# KiCad board RS64c.kicad_pcb (continued)
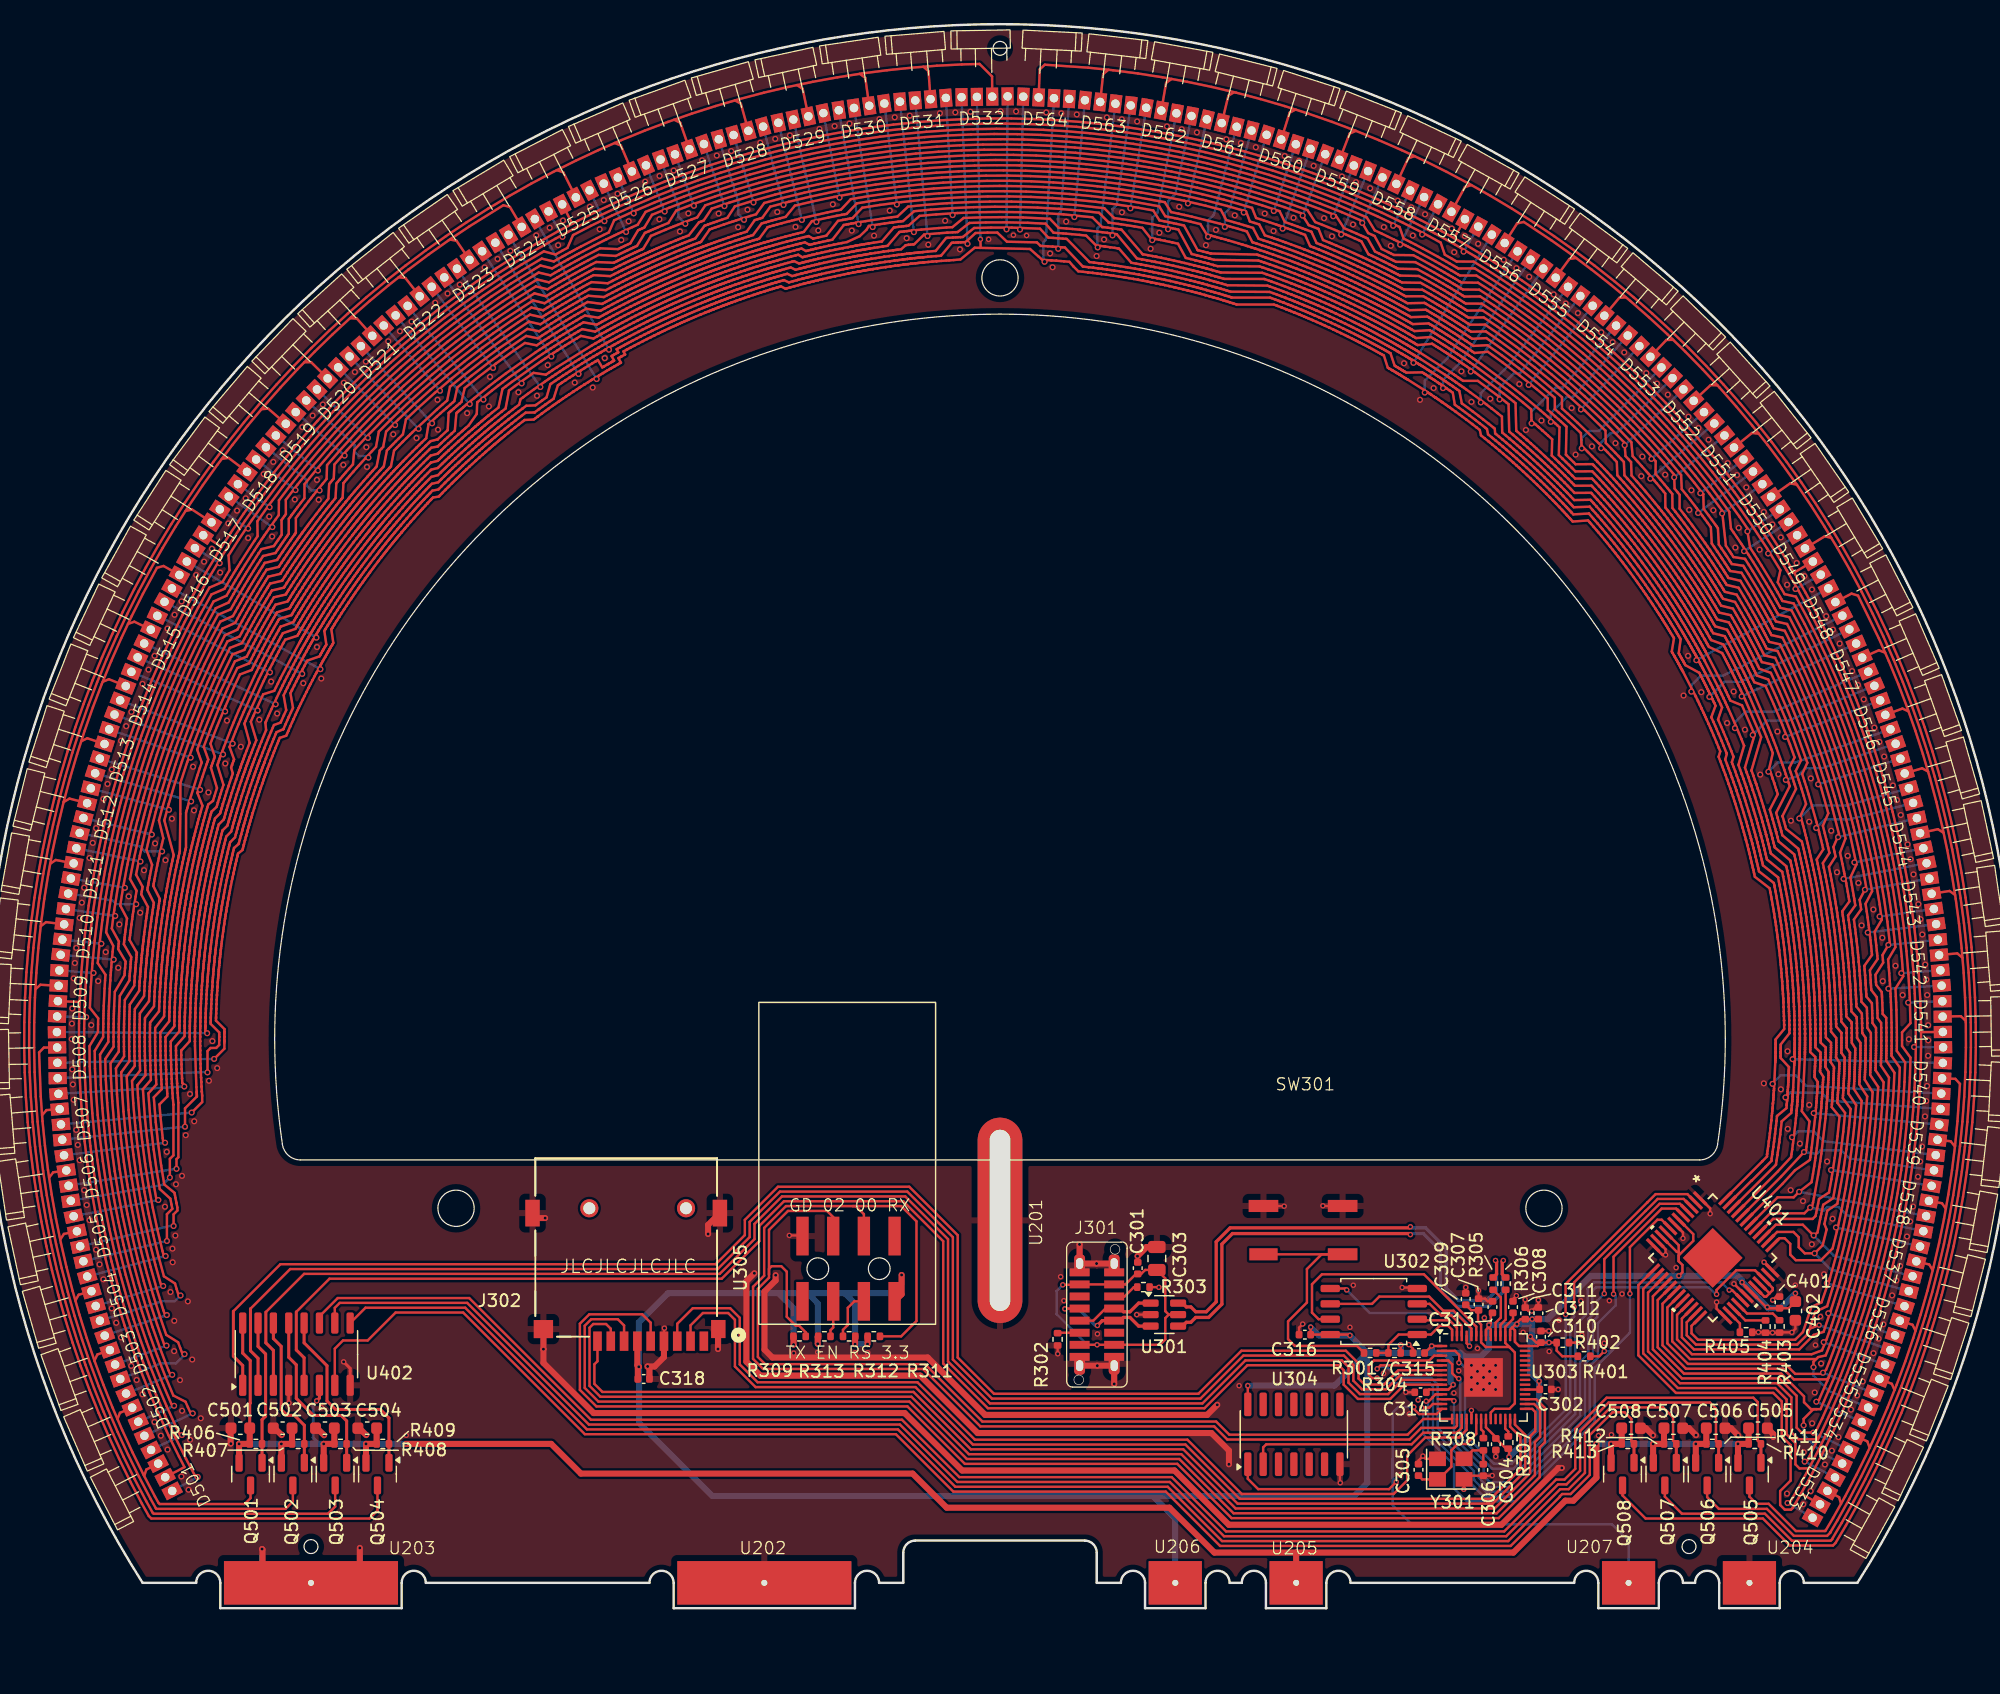
[diagram p0: board, top side]
## Nets (continued)
Net-(D517-A): D517.2 D518.2 D519.2 D520.2 D521.2 D522.2 D523.2 D524.2 Q503.3
Net-(D525-A): D525.2 D526.2 D527.2 D528.2 D529.2 D530.2 D531.2 D532.2 Q504.3
Net-(D533-A): D533.2 D534.2 D535.2 D536.2 D537.2 D538.2 D539.2 D540.2 Q505.3
Net-(D541-A): D541.2 D542.2 D543.2 D544.2 D545.2 D546.2 D547.2 D548.2 Q506.3
Net-(D549-A): D549.2 D550.2 D551.2 D552.2 D553.2 D554.2 D555.2 D556.2 Q507.3
Net-(D557-A): D557.2 D558.2 D559.2 D560.2 D561.2 D562.2 D563.2 D564.2 Q508.3
Net-(J301-CC1): J301.A5 R302.1
Net-(J301-CC2): J301.B5 R303.1
Net-(R301-Pad1): R301.1 SW301.2 SW301.4
Net-(U305-CH_PD): R313.1 U305.6
Net-(U305-RST): R312.1 U305.7

Pads without a net: J301 A8 B8; J302 9; U303 24 25 32 34 35 36 37 38 39 40 41; U304 3 4 5 6 8 9 10 11 12 13; U305 4 5; U401 35 EPAD

## Via types
v1: diameter 0.45, hole 0.25, Top to Bottom, 176 vias
v2: diameter 0.5, hole 0.3, Top to Bottom, 548 vias

## Routing (per net, layer and track width the routed paths; a pad name or vN(x,y) marks a point on that pad's centre or on a via; arc(x,y) is an arc through that point)
+1V1: length 17.4
  Top w0.2: U303.23 124.6,16.2 124.91,16.5 126.14,16.5 126.59,16.95 126.59,21.16 126.13,21.62 ; C308.2 126.44,23.93 125.8,23.29 U303.45 125.8,21.95 126.13,21.62 ; 126.13,21.62 124.19,21.62 123.8,22 U303.50 123.8,23.47 123.54,23.73 123.54,24.62 C307.2 122.98,24.66 C309.2
+3.3V: length 262.9
  Top w0.2: 140.14,28.72 140.14,29.2 141.35,30.4 141.35,30.96 U401.6 ; 140.14,28.72 140.45,28.41 140.45,27.8 v1(140.16,27.51) ; 140.14,28.72 140.14,29.49 ; U303.49 124.2,23.03 124.37,23.2 124.45,23.2 124.6,23.05 U303.48 ; U401.9 140.14,30.04 140.14,29.49 ; 126.37,23.22 126.6,22.99 U303.43 126.6,22.04 126.94,21.7 U303.42 128.47,21.7 C310.2 ; 126.37,23.22 126.2,23.05 U303.44 ; 126.37,23.22 126.67,23.52 ; C310.2 128.37,21.98 v1(127.88,22.48) ; C310.2 129.41,21.98 v1(129.42,21.99) 130.04,21.99 R402.2 130.05,21.32 130.52,20.85 R401.1 ; 140.14,29.49 139.99,29.49 U401.10 ; C314.2 119.5,18.1 U303.10 121.1,18.1 121.49,18.49 v1(121.49,18.5) ; C315.2 v1(119.71,21.7) U303.1 ; C312.2 128.53,23.92 C311.2 127.07,23.92 126.67,23.52 ; v1(126.76,23.51) 126.68,23.51 126.67,23.52 ; v1(126.11,12.51) 126.11,13.14 R307.2 125.87,13.2 C304.1 125.02,14.15 124.2,14.97 U303.22 ; v1(128.6,18.78) 128.6,18.16 C302.2 128.64,18.1 U303.33 ; R304.2 v1(117.15,21.78) ; v1(145.39,26.97) 145.39,26.92 U401.31 147.48,24.83 C401.1 ; C401.1 149.25,24.83 C402.1 v1(149.8,26.06) ; C401.1 147.56,24.83 v1(147.48,24.92) ; v1(104.5,18.42) U304.14 ; v1(109.7,23.26) C316.2 109.71,22.65 U302.8 112.87,22.65 v1(112.95,22.57) ; C313.2 124.6,24.3 124.6,23.59 v1(124.45,23.44)
  Top w0.5: v1(75.86,27.58) 75.86,25.98 U305.8 ; 130.05,21.98 R402.2 ; J302.4 54,20.1 v1(54.12,19.98) 54.04,19.9 C318.2 ; v1(73.04,21.86) 73.04,22.49 R311.2 ; R313.2 68.92,22.46 v1(68.92,21.88) ; v1(72.01,21.85) 72.01,22.48 R312.2 ; v1(66.92,21.82) 66.92,22.49 R309.2
  Bottom w0.5: v1(117.15,21.78) 117.15,21.14 ; 117.15,21.14 114.38,21.14 ; 117.15,21.14 119.37,21.14 ; 67.84,26.07 68.09,26.07 68.93,25.23 68.93,21.89 v1(68.92,21.88) ; 67.84,26.07 65.68,26.07 ; 67.84,26.07 71.15,26.07 ; 114.38,21.14 v1(112.95,22.57) 110.39,22.57 v1(109.7,23.26) ; 114.38,21.14 111.67,18.42 v1(104.5,18.42) ; 114.38,21.14 114.38,10.38 113.29,9.29 96.65,9.29 ; v1(128.03,23.92) 127.62,23.51 v1(126.76,23.51) 126.69,23.44 v1(124.45,23.44) 124.45,21.5 123.78,20.83 122.41,20.83 122.1,21.14 120.75,21.14 ; v1(128.03,23.92) 129.31,23.92 132.9,27.51 v1(140.16,27.51) 144.3,27.51 144.32,27.53 145,27.53 145.39,27.13 v1(145.39,26.97) 145.42,26.97 v1(147.48,24.92) 147.57,24.83 148.56,24.83 v1(149.8,26.06) ; v1(128.03,23.92) 128.03,22.63 v1(127.88,22.48) ; 96.65,9.29 60.2,9.29 54.14,15.35 54.14,19.96 v1(54.12,19.98) 54.12,23.66 56.53,26.07 65.68,26.07 ; 96.65,9.29 98.5,7.44 U206.1 ; 120.75,21.14 121.27,20.61 121.27,18.71 v1(121.49,18.5) ; 120.75,21.14 119.37,21.14 ; v1(73.04,21.86) 73.03,21.85 v1(72.01,21.85) 72.01,25.21 71.15,26.07 ; 65.68,26.07 66.92,24.83 v1(66.92,21.82) ; 119.37,21.14 119.71,21.48 v1(119.71,21.7) ; v1(127.88,22.48) 128.36,21.99 v1(129.42,21.99) ; v1(127.88,22.48) 127.88,19.51 v1(128.6,18.78) 128.6,15 v1(126.11,12.51) ; 71.15,26.07 75.06,26.07 75.87,26.88 75.87,27.57 v1(75.86,27.58)
+5V: length 179.8
  Top w0.25: v1(27.47,17.16) 27.7,17.39 U402.6 ; C501.1 21.93,16.93 21.97,16.98 21.97,20.49 21.35,21.12 U402.16
  Top w0.5: Q503.2 v1(28.05,13.6) R408.1 C503.1 ; C506.1 R411.1 v1(141.56,13.6) 141.56,12.05 Q506.2 ; C507.1 R412.1 v1(138.03,13.6) 138.03,12.06 Q507.2 ; 108.51,4.61 101.73,4.61 98.02,8.32 79.59,8.32 76.77,11.14 49.33,11.14 46.87,13.6 v1(34.86,13.6) ; 108.51,4.61 108.5,4.59 U205.1 ; 108.51,4.61 126.47,4.61 130.77,8.9 131.43,8.9 133.34,10.81 v1(133.34,13.6) ; Q502.2 v1(24.55,13.6) R407.1 C502.1 ; Q504.2 v1(31.55,13.6) R409.1 C504.1 ; C508.1 R413.1 v1(134.55,13.6) Q508.2 ; Q505.2 v1(145.05,13.6) R410.1 C505.1 ; Q501.2 v1(21.05,13.6) R406.1 C501.1
  Bottom w0.25: v1(27.47,17.16) 27.18,16.87 27.18,14.1 27.68,13.6
  Bottom w0.5: v1(133.34,13.6) v1(134.55,13.6) v1(138.03,13.6) v1(141.56,13.6) v1(145.05,13.6) ; v1(21.05,13.6) v1(24.55,13.6) v1(28.05,13.6) v1(31.55,13.6) v1(34.86,13.6)
/RP2040/VBUS4: length 29.7
  Top w0.2: 97.96,24.3 97.67,24.02 97.67,22.25 97.23,21.8 J301.B9 90.58,21.8 ; 97.96,24.3 U301.5 ; 97.96,24.3 97.66,24.6 97.67,24.6 97.67,27.3 C303.1 96,28 95.67,27.67 C301.2 95.24,27.67 94.38,26.8 J301.B4 90.58,26.8 90.55,26.77 v1(89.19,26.77)
  Bottom w0.2: v1(92.03,21.8) 91.22,21.8 88.67,24.35 88.67,26.25 v1(89.19,26.77)
GND: length 308.6
  Top w0.2: 125.06,19.11 125.05,19.1 v1(124,19.1) ; 122.99,20.12 124,19.11 v1(124,19.1) ; v1(144.72,26.85) 145.74,25.83 U401.30 ; SW301.1 107.49,33.29 v1(107.51,33.27) ; Y301.4 119.22,12.36 v1(118.99,12.59) 118.62,12.22 C305.1 ; 124.93,20.1 124,19.17 v1(124,19.1) ; v1(95.37,29.14) 95.39,29.12 95.39,28.62 ; v1(147.92,25.5) 148.21,25.79 C401.2 ; v1(124,19.1) 124.05,19.1 124.47,19.52 ; v1(124,19.1) 124,19.05 123.02,18.07 ; v1(124,19.1) 123.93,19.1 123.5,19.53 ; v1(124,19.1) 124,19.08 125.04,18.04 ; v1(124,19.1) 123.89,19.1 123.53,18.74 ; v1(124,19.1) 124.11,19.1 124.51,18.7 ; v1(124,19.1) 122.92,19.1 122.91,19.11 ; v1(124,19.1) 124.22,19.1 ; v1(124,19.1) 124,20.19 124,20.19 ; v1(124,19.1) 124,18.22 124.02,18.2 ; J302.6 56.2,23.14 v1(56.24,23.18) ; v1(95.31,24.3) U301.2 96.44,24.29 ; U305.1 67.61,30.85 v1(66.57,30.85) 66.61,30.81 ; v1(140.5,30.61) 140.5,31.1 U401.7 ; v1(112.15,10.38) 112.12,10.41 U304.7 ; U401.12 138.03,30.01 138.81,29.23 139.05,29.23 v1(139.06,29.24) 139.06,29.71 U401.11 ; C314.1 v1(117.57,17.87) ; v1(130.18,18.1) 130.17,18.11 C302.1 ; U303.19 v1(123,16.37) ; U401.25 143.28,24.79 v1(143.28,25.33) ; v1(122.37,9.84) 122.39,9.86 Y301.2 122.69,10.96 C306.2 124.7,10.96 v1(124.72,10.98) ; v1(128.54,25.5) C312.1 128.28,24.89 v1(127.98,24.6) 127.74,24.6 C311.1 v1(127.45,25.54) ; U302.4 118.44,26.54 v1(117.27,26.54) ; C402.2 149.8,23.12 v1(149.51,22.83) 148.51,22.83 R403.2 148.48,22.8 v1(147.91,22.8) R404.2 147.29,22.84 v1(146.74,22.84) R405.2 146.23,22.86 ; v1(142.75,32.65) 142.75,33.09 U401.1 ; v1(123.58,26.28) 123.59,26.27 C307.1 124.13,25.62 124.35,25.4 C313.1 ; C310.1 v1(129.4,22.94) ; C304.2 125.02,12.56 v1(125.01,12.55) ; C315.1 118.17,21.47 v1(117.82,21.81) ; v1(147.21,28.64) 147.89,27.96 U401.36 ; R303.2 97.12,26.58 ; v1(126.72,25.87) 126.44,25.59 C308.1 ; SW301.3 110.73,33.29 v1(110.71,33.31) ; C316.1 108.74,23.22 v1(109.04,23.52) ; R302.2 88.76,21.07 v1(88.77,21.05) ; C309.1 v1(122.53,26.55)
  Top w0.25: v1(29.7,20.39) 30.24,19.85 U402.8 ; U402.4 25.16,17 v1(25.18,16.98)
  Top w0.5: C318.1 55,19.86 v1(54.85,20.01) 55.43,20.01 56.2,20.78 J302.6 ; C502.2 23.99,14.9 24.57,14.33 ; 46.23,21.44 v1(46.23,21.44) ; v1(46.23,21.44) 46.23,21.44 46.23,20.31 50.38,16.15 76.11,16.15 80.86,11.4 98.44,11.4 102.93,6.91 125.48,6.91 130.19,11.61 v1(130.48,11.61) ; v1(46.23,21.44) 46.23,23.1 J302.13 ; J301.B1 v1(91.99,28.53) 90.58,28.53 90.58,30.11 v1(90.58,30.11) ; v1(46.37,32.29) 45.74,32.29 J302.12 ; 30.25,2.1 31.04,2.89 v1(31.04,4.99) ; 30.25,2.1 U203.1 23.64,2.1 22.99,2.75 22.99,4.86 v1(22.95,4.9) ; 30.25,2.1 30.95,2.8 ; v1(147.96,14.17) 147.96,14.42 C505.2 ; v1(138.03,14.3) 137.43,14.9 C508.2 ; J302.10 60.67,23.08 v1(60.67,21.45) ; v1(102.94,11.91) 102.94,13.05 101.49,14.5 82.15,14.5 77.4,19.25 64.17,19.25 63.02,20.4 63.02,27.06 v1(63.68,27.72) ; v1(141.58,14.32) 141,14.9 C507.2 ; v1(145.07,14.3) 144.47,14.9 C506.2 ; 28.08,14.31 27.49,14.9 C503.2 ; v1(93.45,18.56) 93.44,18.57 J301.B12 v1(92.05,20.08) 90.58,20.08 ; 31.57,14.33 30.99,14.9 C504.2 ; J302.11 59.85,31.72 v1(59.85,30.97) ; 96.97,29.9 96.13,29.9 v1(95.37,29.14) ; v1(65.44,27.56) 65.44,27.13 64.52,26.21 64.52,21.4 65.17,20.75 78.02,20.75 82.77,16 101.14,16 v1(101.97,16.84) ; C501.2 20.35,14.87 20.35,13.62
  Bottom w0.5: 30.2,2.1 U203.1 24.05,2.1 22.95,3.2 v1(22.95,4.9) ; 30.2,2.1 31.04,2.94 v1(31.04,4.99) ; 30.2,2.1 31.08,2.98
  vias: v1(20.37,13.62) v1(24.61,14.37) v1(27.87,16.6) v1(28.11,14.34) v1(31.6,14.36) v1(34.88,14.31) v1(66.93,21.11) v1(68.92,21.18) v1(72.02,21.14) v1(73.06,21.15) v1(83.06,113.29) v1(85.11,113.64) v1(86.2,113.61) v1(89.01,27.44) v1(89.28,25.46) v1(92.06,22.7) v1(97.14,26.55) v1(103.78,18.42) v1(112.95,23.25) v1(113.23,26.73) v1(115.73,19.43) v1(117.09,11.03) v1(117.86,16.08) v1(118.59,17.23) v1(121.55,17.81) v1(121.95,19.65) v1(123,20.1) v1(123,19.1) v1(123,18.1) v1(123.5,21.5) v1(123.5,19.6) v1(123.5,18.6) v1(124,20.1) v1(124,18.1) v1(124.07,24.03) v1(124.5,19.6) v1(124.5,18.6) v1(125,20.1) v1(125,19.1) v1(125,18.1) v1(127.28,22.83) v1(129.43,21.25) v1(130.26,23.84) v1(132.05,25.44) v1(132.14,22.6) v1(133.51,14.29) v1(133.99,21.93) v1(134.41,25.45) v1(134.58,14.36) v1(135.46,26.01) v1(139.93,28.19) v1(149.79,26.74) v1(151.46,21.78) v1(151.87,24.14) v2(7.22,48.38) v2(7.21,47.1) v2(7.25,49.63) v2(7.25,44.6) v2(7.3,43.35) v2(7.37,52.13) v2(7.37,42.08) v2(7.47,53.4) v2(7.58,54.65) v2(7.58,39.59) v2(7.71,38.34) v2(7.87,57.13) v2(7.87,37.08) v2(8.04,58.4) v2(8.24,59.63) v2(8.23,34.6) v2(8.45,33.37) v2(8.69,62.09) v2(8.69,32.12) v2(8.82,48.26) v2(8.95,63.34) v2(9.22,64.56) v2(9.21,29.67) v2(9.39,51.9) v2(9.51,28.46) v2(9.83,66.99) v2(9.83,27.22) v2(10.02,54.31) v2(10.17,68.22) v2(10.52,69.42) v2(10.51,24.82) v2(10.89,23.62) v2(11.15,56.59) v2(11.05,53) v2(11.29,71.8) v2(11.29,22.41) v2(11.71,73) v2(11.92,58.91) v2(12.14,74.18) v2(12.13,20.06) v2(12.58,18.89) v2(12.87,57.56) v2(13.06,76.5) v2(13.06,17.71) v2(13.19,61.08) v2(13.56,77.68) v2(14.07,78.82) v2(14.1,63.3) v2(14.05,15.41) v2(14.58,14.28) v2(14.92,33.23) v2(14.97,61.91) v2(15.14,81.08) v2(15.07,37.77) v2(15.13,13.13) v2(15.37,26.17) v2(15.5,65.34) v2(15.54,29.76) v2(15.56,28.63) v2(15.71,82.22) v2(15.69,23.78) v2(15.68,21.28) v2(15.83,35.09) v2(15.78,30.84) v2(16.17,18.88) v2(16.29,83.33) v2(16.33,35.78) v2(16.33,16.34) v2(16.28,10.9) v2(16.64,39.15) v2(16.81,25.4) v2(16.87,9.81) v2(16.99,42.56) v2(17,13.94) v2(17.24,69.64) v2(17.17,20.58) v2(17.32,66.03) v2(17.34,40.3) v2(17.51,85.51) v2(17.88,15.72) v2(18.16,86.61) v2(18.51,67.52) v2(18.56,43.65) v2(18.81,87.68) v2(18.84,46.94) v2(19.24,44.7) v2(19.48,85.71) v2(19.91,69.91) v2(20.05,73.46) v2(20.16,89.78) v2(20.88,90.84) v2(21.19,71.3) v2(21.6,91.86) v2(21.8,88.57) v2(22.72,73.53) v2(23.09,93.87) v2(23.54,90.34) v2(23.7,76.68) v2(23.78,88.7) v2(23.88,94.87) v2(24.2,74.05) v2(24.66,95.84) v2(25.66,91.76) v2(26.28,97.75) v2(26.36,76.55) v2(27.13,98.7) v2(27.49,93.38) v2(27.5,79.55) v2(27.64,91.74) v2(27.85,76.94) v2(27.98,99.62) v2(29.72,101.42) v2(29.67,94.62) v2(30.63,102.31) v2(31.54,103.17) v2(31.58,96.09) v2(31.63,94.45) v2(33.39,104.85) v2(33.8,97.16) v2(34.36,105.69) v2(35.32,106.49) v2(35.73,96.85) v2(37.28,108.04) v2(37.47,100.01) v2(37.51,97.54) v2(38.3,108.81) v2(39.31,109.55) v2(39.91,98.91) v2(41.36,110.97) v2(41.72,99.47) v2(41.81,101.91) v2(42.43,111.67) v2(43.49,112.34) v2(44.16,100.64) v2(45.63,113.62) v2(45.7,100.34) v2(46.58,102.88) v2(46.75,114.25) v2(47.44,112.81) v2(47.84,114.85) v2(48.82,101.44) v2(50.07,115.99) v2(50.31,101.02) v2(50.88,114.12) v2(51.22,116.54) v2(51.3,103.46) v2(52.36,117.07) v2(52.66,113.24) v2(53.28,114.78) v2(54.65,118.06) v2(55.83,118.54) v2(55.82,114.95) v2(57,118.99) v2(57.52,113.94) v2(58.22,115.44) v2(59.36,119.83) v2(60.57,120.23) v2(60.73,115.43) v2(61.76,120.6) v2(62.34,114.3) v2(63.11,115.74) v2(64.17,121.28) v2(65.4,121.6) v2(65.57,115.55) v2(66.62,121.9) v2(67.08,114.32) v2(68.97,114.03) v2(69.06,122.42) v2(70.17,116.19) v2(70.32,122.66) v2(71.55,122.87) v2(71.74,114.01) v2(73.58,113.59) v2(74.02,123.24) v2(74.88,115.67) v2(75.29,123.39) v2(76.28,113.39) v2(76.53,123.53) v2(78.07,112.85) v2(79.03,123.73) v2(79.46,114.83) v2(80.3,123.8) v2(80.69,112.46) v2(81.55,123.85) v2(84.05,123.89) v2(85.33,123.88) v2(87.83,123.79) v2(88.14,112.12) v2(88.35,110.98) v2(89.08,123.72) v2(89.47,114.76) v2(90.35,123.63) v2(91.99,111.91) v2(92.61,113.28) v2(92.84,123.38) v2(94.08,123.23) v2(94.08,115.53) v2(95.34,123.05) v2(96.46,112.51) v2(97.18,113.84) v2(97.81,122.64) v2(98.82,115.98) v2(99.04,122.4) v2(100.29,122.14) v2(101.04,112.81) v2(101.86,114.07) v2(102.72,121.57) v2(103.42,115.28) v2(103.93,121.26) v2(105.16,120.92) v2(105.9,115.43) v2(106.63,113.98) v2(107.55,120.19) v2(108.28,115.07) v2(108.74,119.79) v2(109.95,119.37) v2(110.81,115.04) v2(111.46,113.54) v2(112.29,118.49) v2(113.2,114.52) v2(113.44,118.02) v2(114.62,117.52) v2(115.75,114.31) v2(116.33,112.76) v2(116.9,116.49) v2(117.42,103.04) v2(118.02,115.94) v2(118.15,113.6) v2(118.74,100.01) v2(119.16,115.37) v2(119.87,100.98) v2(121.37,114.19) v2(121.57,112.23) v2(122.17,102.37) v2(122.45,113.57) v2(123,99.84) v2(123.55,112.92) v2(124.55,100.1) v2(125.68,111.6) v2(126.72,110.91) v2(126.96,101.31) v2(127.51,97.51) v2(127.78,110.19) v2(128.79,98.3) v2(129.81,108.73) v2(130.8,107.98) v2(131.29,99.33) v2(131.62,95.48) v2(131.81,107.19) v2(132.97,96.16) v2(133.74,105.6) v2(134.69,104.79) v2(134.92,96.42) v2(135.64,103.93) v2(137.05,93.69) v2(137.14,95.31) v2(137.46,102.22) v2(138.35,101.35) v2(139.03,93.81) v2(139.25,100.43) v2(140.55,75.54) v2(140.92,78.82) v2(140.95,98.61) v2(141.01,90.9) v2(141.2,92.53) v2(141.78,97.67) v2(142.01,75.82) v2(142.62,96.7) v2(143.01,90.87) v2(144.15,73.26) v2(144.2,94.77) v2(144.69,75.87) v2(144.83,87.78) v2(144.97,93.78) v2(145.11,89.41) v2(145.63,72.71) v2(145.74,92.76) v2(146.83,87.61) v2(146.89,68.99) v2(147.19,90.73) v2(147.19,43.44) v2(147.89,89.69) v2(148.32,72.56) v2(148.39,69.03) v2(148.59,88.63) v2(148.6,42.95) v2(149.11,84.7) v2(149.1,9.49) v2(149.15,46.1) v2(149.17,39.67) v2(149.43,65.17) v2(149.41,34.6) v2(149.91,86.5) v2(150.17,38.45) v2(150.43,33.7) v2(150.44,8.6) v2(150.54,85.42) v2(150.48,12.91) v2(150.94,65.09) v2(150.94,41.65) v2(151.07,68.68) v2(151.06,9.69) v2(151.17,84.31) v2(151.16,30.12) v2(151.18,15.3) v2(151.4,17.86) v2(151.93,20.25) v2(152.17,27.64) v2(152.24,11.89) v2(152.35,82.1) v2(152.42,36.97) v2(152.76,64.34) v2(152.82,13.03) v2(152.91,80.99) v2(152.87,32.23) v2(153.24,60.91) v2(153.37,14.16) v2(153.46,79.84) v2(154.13,62.27) v2(154.4,16.43) v2(154.49,77.56) v2(154.9,17.61) v2(154.98,76.41) v2(155.01,60.03) v2(155.28,56.51) v2(155.37,18.77) v2(155.46,75.22) v2(156.25,57.83) v2(156.33,72.88) v2(156.26,21.11) v2(156.74,71.7) v2(156.68,22.31) v2(156.99,55.49) v2(157.03,51.9) v2(157.14,70.48) v2(157.07,23.5) v2(157.8,25.89) v2(157.86,68.09) v2(158.08,53.17) v2(158.14,27.12) v2(158.2,66.89) v2(158.52,65.65) v2(158.46,28.33) v2(158.67,50.75) v2(159.03,30.76) v2(159.08,63.21) v2(159.19,47.09) v2(159.33,61.99) v2(159.29,32.02) v2(159.53,33.24) v2(159.57,60.73) v2(159.94,35.71) v2(159.97,58.27) v2(160.15,57.03) v2(160.12,36.97) v2(160.3,55.76) v2(160.27,38.21) v2(160.54,53.27) v2(160.52,40.7) v2(160.63,52.02) v2(160.62,41.98) v2(160.7,50.75) v2(160.69,43.22) v2(160.78,48.25) v2(160.79,47) v2(160.78,45.72)
/LED_electronics/REXTB1: length 1.9
  Top w0.2: U401.26 145.21,23.56 R405.1
/LED_electronics/REXTG1: length 3
  Top w0.2: U401.27 145.66,23.82 R404.1
/LED_electronics/REXTR1: length 4
  Top w0.2: R403.1 147.93,24.39 145.8,24.39 U401.28
/RP2040/QSPI_SCLK: length 13.6
  Top w0.2: U303.52 123,23.14 121.51,24.63 120.67,24.63 119.5,25.79 115.38,25.79 114.78,25.19 U302.6
/RP2040/QSPI_SD0: length 15.5
  Top w0.2: v1(122.84,21.69) 122.6,21.93 U303.53 ; U302.5 112.56,26.46 v1(112.68,26.34)
  Bottom w0.2: v1(112.68,26.34) 114.59,24.43 121.81,24.43 122.84,23.4 v1(122.84,21.69)
/RP2040/QSPI_SD1: length 4.2
  Top w0.2: U303.55 121.8,23.21 121.18,23.83 118.61,23.83 U302.2
/RP2040/QSPI_SD2: length 5.3
  Top w0.2: U303.54 122.2,23.37 121.35,24.23 120.5,24.23 119.54,25.19 U302.3
/RP2040/QSPI_SD3: length 20.6
  Top w0.2: U303.51 123.4,23.31 119.07,27.63 110.63,27.63 109.81,26.81 109.81,24.46 110.35,23.92 U302.7
/RP2040/QSPI_SS: length 8.2
  Top w0.2: U303.56 121.4,23.04 121.07,23.37 120.37,23.37 119.66,22.65 U302.1 116.98,22.65 116.13,21.8 R304.1 R301.2
/RP2040/RP_D+: length 6.7
  Top w0.2: 90.58,23.8 91.72,23.8 92.72,24.8 J301.B6
  Top w0.27: U301.1 95.47,25.25 94.75,24.54 94.21,24.54 93.94,24.8 J301.B6
/RP2040/RP_D-: length 9.5
  Top w0.2: v1(89.36,24.78) 89.39,24.8 90.58,24.8
  Top w0.27: U301.3 95.47,23.35 94.75,24.07 94.21,24.07 93.94,23.8 J301.B7 92.46,23.8 v1(92.06,23.4)
  Bottom w0.2: 90.5,24.78 v1(89.36,24.78)
  Bottom w0.27: 90.5,24.78 91.88,23.4 v1(92.06,23.4)
/RP2040/RUN: length 1.5
  Top w0.2: U303.26 125.8,14.86 126.05,14.61 R307.1
/RP2040/UD_2040+: length 41.3
  Top w0.27: R305.1 125.08,27.65 125.08,28.69 v1(124.99,28.78) ; v1(117.95,31.57) 117.86,31.48 103.04,31.48 101.88,30.33 101.88,25.36 101.06,24.54 100.19,24.54 99.79,24.94 99.41,24.94 99.1,25.25 U301.6
  Bottom w0.27: v1(117.95,31.57) 118.04,31.48 119.21,31.48 120.9,29.79 120.9,26.5 121.94,25.46 124.24,25.46 125.08,26.3 125.08,28.69 v1(124.99,28.78)
/RP2040/UD_2040-: length 42.1
  Top w0.27: R306.1 125.55,27.65 125.55,28.69 v1(125.64,28.78) ; v1(117.95,30.92) 117.86,31.01 103.23,31.01 102.35,30.13 102.35,25.16 101.26,24.07 100.19,24.07 99.79,23.67 99.41,23.67 99.1,23.35 U301.4
  Bottom w0.27: v1(125.64,28.78) 125.55,28.69 125.55,26.11 124.44,25 121.74,25 120.43,26.3 120.43,29.59 119.02,31.01 118.04,31.01 v1(117.95,30.92)
/RP2040/UD_2040_+: length 4.3
  Top w0.2: R305.2 125.42,25.73 125.43,25.73 125.43,24.05 125,23.62 U303.47
/RP2040/UD_2040_-: length 4
  Top w0.2: R306.2 125.83,23.89 125.4,23.46 U303.46
/RP2040/XIN: length 8.5
  Top w0.2: U303.20 123.4,14.43 122.56,13.59 121.86,13.59 121.34,13.07 121.34,11.71 120.29,10.66 Y301.1 118.93,10.66 C305.2
/RP2040/XOUT: length 3
  Top w0.2: C306.1 123.98,13.05 R308.1 123.09,13.06 Y301.3
/RP2040/XOUT_: length 1.7
  Top w0.2: U303.21 123.8,14.8 123.99,14.61 R308.2
_Hall_: length 19.2
  Top w0.2: U304.2 105.77,13.31 106.02,13.56 118.05,13.56 119.01,14.52 121.8,14.52 122.2,14.93 U303.17
CLK: length 56.9
  Top w0.2: v1(115.2,19.05) 114.78,19.05 114.5,19.33 114.5,20.06 114.94,20.5 119.51,20.5 119.91,20.9 U303.3 ; U401.4 140.25,33.47 138.57,33.47 133.99,28.89 v1(133.99,26.04)
  Bottom w0.2: v1(133.99,26.04) 133.41,25.46 133.41,24.11 133.06,23.76 133.06,20.9 132.39,20.22 132.39,15.75 126.28,9.64 124.19,9.64 123.21,10.61 123.21,11.34 119.81,14.75 119.81,18.35 119.53,18.63 115.61,18.63 v1(115.2,19.05)
DM: length 44.9
  Top w0.2: U401.5 139.94,33.07 138.74,33.07 134.76,29.09 v1(134.76,26) ; v1(119.26,17.14) 119.47,17.14 119.8,17.46 119.8,17.47 120.03,17.7 U303.11
  Bottom w0.2: v1(134.76,26) 134.93,25.82 134.93,25.07 133.46,23.6 133.46,20.73 132.79,20.06 132.79,15.58 126.45,9.24 124.02,9.24 122.81,10.45 122.81,11.18 119.41,14.58 119.41,16.99 v1(119.26,17.14)
EF: length 44
  Top w0.2: v1(131.79,21.98) R402.1 ; v1(121.55,17.16) 121.41,17.3 U303.12 ; U401.29 144.57,26.33 v1(144.33,26.33)
  Bottom w0.2: 131.59,21.61 131.59,21.78 v1(131.79,21.98) ; 131.59,21.61 131.59,23.42 132.61,24.44 132.61,26.44 133.13,26.96 143.7,26.96 v1(144.33,26.33) ; 131.59,21.61 131.59,16.08 125.95,10.44 124.52,10.44 124.01,10.95 124.01,11.67 121.55,14.14 v1(121.55,17.16)
Hall: length 52.8
  Top w0.2: U303.14 120.13,16.07 118.67,16.07 118.24,16.5 v1(118.24,16.65) ; v1(116.78,10.45) 116.18,9.86 105.35,9.86 104.5,10.71 U304.1
  Bottom w0.2: 116.49,12.39 116.49,16.2 116.94,16.65 v1(118.24,16.65) ; 116.49,12.39 116.49,8.52 118.06,6.95 134.61,6.95 136,5.56 U207.1 ; 116.49,12.39 116.49,10.74 v1(116.78,10.45)
I2C0_SCL: length 101.9
  Top w0.2: U303.16 121.8,15.09 121.63,14.93 118.85,14.93 117.88,13.96 102.8,13.96 101.72,15.05 82.38,15.05 77.63,19.8 64.4,19.8 63.57,20.63 63.57,26.6 64.49,27.52 64.49,31.48 66.29,33.28 71.82,33.28 ; 71.82,33.28 72.07,33.28 72.74,32.61 U305.3 ; 71.82,33.28 75.83,33.28 77.09,32.02 77.09,23.77 75.82,22.5 R311.1
I2C0_SDA: length 87.6
  Top w0.2: 64.89,27.64 64.89,27.35 63.97,26.43 63.97,20.8 64.57,20.2 77.79,20.2 82.54,15.45 101.88,15.45 102.97,14.36 117.72,14.36 119.02,15.66 U303.15 ; 64.89,27.64 64.89,28.09 65.1,28.3 65.9,28.3 66.36,27.85 66.36,24.12 67.1,23.38 67.38,23.38 67.93,22.83 R309.1 ; 64.89,27.64 64.89,31.31 66.46,32.88 69.69,32.88 70.2,32.37 U305.2
LE: length 43.2
  Top w0.2: v1(131.49,24.93) 131.49,26.96 137.41,32.88 137.41,32.88 138.4,33.87 140.56,33.87 U401.3 ; U303.4 121.1,20.5 121.41,20.18 121.41,19.44 121.86,19 v1(121.95,19)
  Bottom w0.2: v1(131.49,24.93) 131.49,24.14 131.19,23.84 131.19,16.25 126.49,11.55 124.7,11.55 122.07,14.18 122.07,18.87 v1(121.95,19)
LED_B00: length 358.5
  Top w0.2: v2(16.32,14.33) 16.26,14.33 16.2,14.27 15.86,14.95 15.06,16.71 14.3,18.49 13.59,20.29 12.93,22.1 12.31,23.94 11.74,25.78 11.21,27.65 10.74,29.52 10.31,31.41 9.93,33.3 9.6,35.21 9.32,37.12 9.09,39.04 8.91,40.97 8.78,42.9 8.69,44.83 8.67,46.52 9.38,47.69 9.38,48.33 9.39,48.82 8.71,49.69 8.78,51.41 8.92,53.34 9.1,55.27 9.34,57.19 9.62,59.1 9.95,61 10.33,62.9 10.76,64.79 11.24,66.66 11.77,68.52 12.34,70.37 12.96,72.2 13.63,74.01 14.34,75.81 15.1,77.59 15.91,79.35 16.76,81.09 17.65,82.8 18.59,84.47 19.68,84.93 20.01,85.49 20.26,85.91 20.18,87.13 21.02,88.46 22.11,90.06 23.23,91.63 24.39,93.18 25.6,94.69 26.84,96.18 28.11,97.63 29.43,99.05 30.78,100.43 32.17,101.78 33.59,103.09 35.04,104.36 36.53,105.6 38.05,106.8 39.59,107.96 41.17,109.08 42.77,110.16 44.41,111.2 46.26,112.3 47.22,112.03 47.79,112.35 48.21,112.58 48.68,113.64 50.15,114.41 51.89,115.26 53.65,116.06 55.43,116.81 57.23,117.52 59.05,118.19 60.88,118.81 62.73,119.37 64.59,119.9 66.47,120.37 68.35,120.8 70.25,121.17 72.15,121.5 74.07,121.78 75.99,122.01 77.91,122.19 79.84,122.33 81.78,122.41 83.71,122.44 85.64,122.42 87.58,122.36 89.51,122.24 91.43,122.07 93.36,121.86 95.27,121.59 97.18,121.28 99.08,120.92 100.97,120.5 102.85,120.04 104.71,119.54 106.57,118.98 108.4,118.38 110.22,117.73 112.03,117.03 113.81,116.29 115.58,115.5 117.33,114.67 119.05,113.79 120.45,113.02 120.8,112.02 121.36,111.7 121.78,111.46 123.17,111.45 124.34,110.73 125.96,109.67 127.55,108.57 129.12,107.44 130.65,106.26 132.15,105.04 133.63,103.79 135.06,102.49 136.47,101.16 137.84,99.8 139.17,98.4 140.47,96.97 141.73,95.5 142.96,94 144.14,92.48 145.29,90.92 146.39,89.33 147.46,87.71 148.56,85.91 148.34,84.91 148.66,84.35 148.9,83.93 149.84,83.72 150.76,82.02 151.63,80.29 152.46,78.55 153.25,76.78 153.99,74.99 154.68,73.19 155.33,71.36 155.92,69.52 156.48,67.67 156.98,65.8 157.44,63.92 157.84,62.03 158.2,60.13 158.51,58.23 158.77,56.31 158.99,54.39 159.15,52.46 159.26,50.53 159.27,50.09 ; 159.27,50.09 159.32,48.42 158.62,47.66 158.62,47.01 158.62,46.53 159.32,45.57 159.27,43.94 159.17,42.01 159.01,40.09 158.81,38.16 158.55,36.25 158.25,34.34 157.9,32.43 157.5,30.54 157.05,28.66 156.55,26.79 156.01,24.94 155.41,23.1 154.77,21.27 154.09,19.46 153.35,17.67 152.58,15.9 151.82,14.29 ; 159.27,50.09 v2(159.13,50.12) ; 151.82,14.29 151.82,14.28 151.52,13.98 150.05,13.98 149.47,14.56 149.47,17.45 148.3,18.62 140.25,18.62 137.61,21.26 137.61,26.12 U401.15 ; 151.82,14.29 151.75,14.15 150.89,12.42 150.78,12.22 150.69,12.14 v2(150.57,12.14)
  Bottom w0.2: D525.1 v2(51.28,114.8) ; D509.1 v2(9.01,52.58) ; D533.1 v2(150.57,12.14) ; D501.1 v2(16.32,14.33) ; D549.1 v2(147.55,87.29) ; D557.1 v2(118.92,113.69) ; D517.1 v2(21.8,89.35) ; D541.1 v2(159.13,50.12)
LED_B01: length 350.2
  Top w0.2: 152.54,19.08 152.4,18.94 149.67,18.94 148.79,19.82 140.75,19.82 138.81,21.76 138.81,25.2 U401.18 ; 152.54,19.08 152.43,18.8 151.75,17.24 151.6,17.09 v2(151.53,17.09) ; 152.54,19.08 153.13,20.57 153.79,22.35 154.4,24.15 154.97,25.97 155.49,27.8 155.96,29.64 156.39,31.49 156.76,33.35 157.09,35.23 157.37,37.11 157.6,38.99 157.79,40.88 157.92,42.78 157.99,44.31 157.31,45.32 157.32,45.51 157.32,45.73 157.32,45.91 157.33,46.14 157.33,46.31 157.33,46.54 157.33,46.94 157.33,47.02 157.33,47.25 157.33,47.65 157.33,48.05 157.32,48.45 157.31,48.86 157.02,49.19 157.01,49.48 156.99,50.11 156.97,50.59 156.96,50.68 156.95,50.82 156.95,50.99 156.48,51.59 156.47,51.78 156.46,51.85 156.42,52.43 157.06,53.43 157.04,53.65 157,54.05 v2(157.49,54.89) 157.61,55.08 157.41,56.83 157.13,58.71 156.81,60.58 156.44,62.44 156.02,64.3 155.56,66.14 155.05,67.97 154.49,69.79 153.88,71.59 153.23,73.38 152.53,75.15 151.79,76.9 151,78.63 150.17,80.33 149.3,82.02 148.37,82.23 148.28,82.4 148.18,82.59 148.09,82.75 147.98,82.94 147.89,83.1 147.78,83.29 147.58,83.64 147.54,83.71 147.43,83.91 147.23,84.26 147.02,84.6 146.27,85.83 145.94,86.36 145.68,86.77 145.63,86.85 144.68,87 144.52,87.24 144.41,87.4 144.37,87.46 144.05,87.94 143.73,90.85 ; 143.73,90.85 142.7,92.24 141.52,93.73 140.31,95.19 139.05,96.62 137.76,98.02 136.44,99.38 135.08,100.71 133.69,102 132.26,103.26 130.8,104.48 129.32,105.66 127.8,106.81 126.25,107.91 124.68,108.98 123.54,109.7 122.17,109.72 122.01,109.82 121.82,109.93 121.66,110.02 121.47,110.14 121.32,110.23 121.12,110.34 120.78,110.55 120.71,110.58 120.51,110.7 120.16,110.9 119.82,111.09 118.55,111.79 118.19,111.98 116.59,112 116.32,112.13 116.15,112.22 116.09,112.24 115.57,112.5 114.98,113.57 114.82,113.64 114.45,113.81 v2(113.97,114.65) 113.81,114.87 112.26,115.55 110.49,116.25 108.71,116.91 106.91,117.52 105.09,118.08 103.27,118.6 101.42,119.07 99.57,119.49 97.71,119.87 95.84,120.2 93.96,120.48 92.07,120.71 90.18,120.89 88.28,121.03 86.38,121.11 84.48,121.15 82.58,121.14 80.68,121.08 78.78,120.97 76.89,120.81 75,120.6 73.12,120.35 71.24,120.04 69.37,119.69 67.51,119.29 65.67,118.84 63.83,118.35 62.01,117.81 60.2,117.22 58.41,116.59 56.63,115.91 55.21,115.32 54.58,114.27 54.41,114.2 54.2,114.11 54.06,114.04 53.42,112.97 53.25,112.89 52.98,112.76 52.89,112.72 52.69,112.62 52.53,112.55 52.4,112.48 50.91,112.55 50.65,112.41 49.74,111.94 49.38,111.75 49.19,111.64 49.03,111.56 48.83,111.45 48.48,111.26 48.41,111.22 48.21,111.11 47.86,110.91 47.51,110.71 47.17,110.51 46.82,110.31 45.83,110.54 44.12,109.5 42.54,108.45 40.97,107.37 39.44,106.24 37.94,105.08 36.47,103.88 35.02,102.64 33.61,101.37 32.24,100.05 30.9,98.71 29.59,97.33 28.32,95.92 27.08,94.47 25.89,92.99 24.92,91.73 24.92,90.55 24.82,90.41 24.68,90.22 24.56,90.06 24.57,88.84 24.47,88.69 24.29,88.44 24.24,88.36 24.11,88.18 24.01,88.03 23.93,87.91 22.9,87.65 22.67,87.32 22.45,86.98 22.23,86.63 21.9,86.11 21.69,85.77 21.57,85.58 21.48,85.43 21.36,85.23 21.15,84.89 21.11,84.82 20.99,84.62 20.79,84.28 20.59,83.94 20.39,83.59 20.19,83.24 19.11,82.76 18.26,81.19 17.41,79.49 16.6,77.77 15.83,76.03 15.11,74.27 14.44,72.49 13.81,70.7 13.23,68.89 12.69,67.06 12.2,65.23 11.76,63.38 11.37,61.52 11.02,59.65 10.72,57.77 10.52,56.26 11.11,55.18 11.09,55 11.07,54.77 11.05,54.56 11.66,53.52 11.65,53.34 11.62,53.03 11.61,52.94 11.6,52.72 11.58,52.54 11.57,52.39 10.77,51.01 10.71,49.82 10.7,49.42 10.69,49.19 10.69,49.02 10.68,48.79 10.68,48.39 10.67,48.31 10.67,48.08 10.67,47.68 10.66,47.28 10.66,46.88 10.67,46.47 9.98,45.45 10.03,43.73 10.14,41.84 10.3,39.94 10.5,38.05 10.76,36.17 11.07,34.29 11.42,32.43 11.82,30.57 12.27,28.72 12.76,26.89 13.3,25.06 13.89,23.26 14.53,21.46 15.21,19.69 15.37,19.29 15.4,19.32 v2(15.52,19.32) ; 143.73,90.85 v2(143.74,90.6)
  Bottom w0.2: D526.1 v2(56.26,115.6) ; D502.1 v2(15.52,19.32) ; D510.1 v2(10.81,57.29) ; D542.1 v2(157.49,54.89) ; D534.1 v2(151.53,17.09) ; D550.1 v2(143.74,90.6) ; D558.1 v2(113.97,114.65) ; D518.1 v2(25.72,92.54)
LED_B02: length 341.8
  Top w0.2: v2(155.55,59.46) 155.12,58.64 155.18,58.24 155.24,57.84 154.64,57 154.72,56.4 154.73,56.36 154.75,56.19 154.79,55.87 154.8,55.79 154.85,55.4 154.86,55.24 154.87,55.17 154.92,54.69 154.97,54.25 154.99,54.07 155.01,53.86 155.04,53.53 155.04,53.47 155.07,53.13 155.08,53.08 155.1,52.85 155.11,52.73 155.13,52.38 155.14,52.33 155.17,51.93 155.18,51.77 155.19,51.63 155.19,51.51 155.21,51.22 155.22,51.12 155.23,50.82 155.24,50.73 155.24,50.6 155.25,50.5 155.25,50.42 155.26,50.19 155.71,49.7 155.72,49.44 155.73,49.23 155.74,48.82 155.75,48.42 155.75,48.03 156.04,47.61 156.04,47.25 156.04,47.02 156.04,46.94 156.04,46.55 156.04,46.33 156.04,46.15 156.04,45.93 156.03,45.75 156.03,45.54 156.02,45.35 156.02,45.14 156.01,44.95 156.01,44.74 156,44.55 155.99,44.34 155.98,44.14 156.65,43.14 156.55,41.64 156.39,39.78 156.18,37.92 155.92,36.07 155.61,34.23 155.26,32.4 154.86,30.57 154.41,28.76 153.92,26.96 153.38,25.17 152.79,23.4 152.36,22.21 152.17,22.02 v2(152.14,22.02) 152.18,21.78 152,21.34 151.14,21.02 141.24,21.02 140.01,22.25 140.01,24.28 U401.21 ; 155.66,59.63 155.42,60.98 155.04,62.81 154.62,64.63 154.14,66.44 153.62,68.23 153.06,70.01 152.45,71.77 151.79,73.52 151.09,75.25 150.35,76.97 149.56,78.66 148.73,80.33 147.81,80.54 147.72,80.73 147.62,80.9 147.53,81.08 147.43,81.26 147.34,81.43 147.24,81.61 147.15,81.78 147.05,81.97 146.96,82.12 146.85,82.31 146.77,82.46 146.66,82.66 146.46,83 146.43,83.06 146.31,83.26 146.11,83.6 145.91,83.94 145.25,85.03 144.26,85.27 144.16,85.43 144.04,85.61 143.99,85.68 143.94,85.77 143.87,85.88 143.82,85.95 143.72,86.1 143.66,86.2 143.6,86.29 143.44,86.53 143.38,86.62 143.3,86.74 143.21,86.88 142.98,87.21 142.95,87.25 142.76,87.54 142.69,87.64 142.56,87.83 142.53,87.87 142.33,88.15 142.3,88.2 142.11,88.47 141.98,88.65 141.88,88.79 141.62,89.15 141.33,89.53 141.29,89.59 141.19,89.72 140.96,90.04 140.91,90.11 140.72,90.36 140.61,90.49 140.59,90.53 140.22,91 140.23,92.14 140.06,92.35 139.81,92.66 v2(139.77,93.59) 139.77,93.82 138.9,94.85 137.66,96.24 136.38,97.6 135.07,98.93 133.72,100.22 132.34,101.48 130.93,102.7 129.49,103.89 128.01,105.04 126.51,106.15 124.98,107.22 123.85,107.97 122.53,107.98 122.35,108.09 122.19,108.19 122.01,108.3 121.84,108.41 121.68,108.51 121.5,108.62 121.34,108.71 121.15,108.83 121,108.92 120.81,109.03 120.66,109.12 120.47,109.23 120.13,109.43 120.07,109.47 119.87,109.58 119.53,109.78 119.19,109.97 118.65,110.26 117.09,110.29 116.92,110.38 116.73,110.48 116.65,110.52 116.56,110.56 116.45,110.62 116.36,110.66 116.21,110.74 116.1,110.8 116.01,110.85 115.75,110.97 115.65,111.03 115.52,111.09 115.37,111.16 115.01,111.34 114.97,111.36 114.65,111.51 114.54,111.56 114.33,111.66 114.29,111.68 113.98,111.82 113.92,111.85 113.62,111.99 113.43,112.08 113.26,112.15 112.86,112.33 112.42,112.52 112.35,112.55 112.21,112.62 111.84,112.77 111.77,112.8 111.48,112.93 111.32,112.99 111.28,113.01 110.72,113.24 110.35,114.15 110.29,114.18 109.92,114.32 109.54,114.47 v2(109.04,115.26) 108.9,115.46 107.5,115.96 105.73,116.54 103.94,117.07 102.13,117.56 100.32,118.01 98.49,118.4 96.66,118.75 94.82,119.05 92.97,119.31 91.11,119.51 89.25,119.67 87.38,119.78 85.52,119.84 83.65,119.86 81.78,119.83 79.92,119.75 78.05,119.62 76.19,119.44 74.34,119.22 72.49,118.94 70.65,118.63 68.82,118.26 67,117.85 65.19,117.39 63.39,116.88 61.61,116.33 60.15,115.84 59.48,114.84 59.31,114.78 59.1,114.7 58.26,113.62 58.11,113.56 57.8,113.45 57.73,113.42 57.53,113.34 57.36,113.27 57.21,113.21 57.16,113.19 56.78,113.03 56.71,113.01 56.31,112.84 56.13,112.76 55.95,112.68 55.75,112.6 55.58,112.52 55.38,112.44 55.22,112.37 55.07,112.3 54.89,112.22 54.7,112.13 54.53,112.06 54.32,111.96 54.17,111.89 54.02,111.83 53.96,111.8 53.8,111.72 53.6,111.63 53.44,111.55 53.32,111.49 53.24,111.46 53.09,111.38 52.96,111.32 52.89,111.29 52.6,111.15 52.47,111.08 52.27,110.98 52.24,110.97 51.91,110.81 51.88,110.79 50.45,110.85 50.34,110.8 49.99,110.61 49.8,110.51 49.65,110.43 49.45,110.32 49.1,110.13 49.04,110.09 48.84,109.98 48.5,109.79 48.16,109.6 47.81,109.4 47.47,109.2 47.13,109 46.78,108.79 46.44,108.58 45.49,108.82 44.13,107.96 42.58,106.92 41.06,105.84 39.56,104.72 38.1,103.56 36.67,102.36 35.26,101.13 33.89,99.86 32.56,98.55 31.25,97.22 29.98,95.85 28.94,94.66 28.88,93.5 28.77,93.36 28.62,93.18 28.5,93.04 28.43,91.83 28.33,91.7 28.13,91.45 28.08,91.39 27.95,91.21 27.84,91.08 27.73,90.94 27.7,90.9 27.45,90.58 27.41,90.52 27.14,90.17 27.03,90.02 26.9,89.86 26.78,89.68 26.67,89.54 26.54,89.36 26.44,89.22 26.34,89.09 26.22,88.93 26.1,88.76 25.99,88.61 25.86,88.42 25.76,88.28 25.67,88.15 25.63,88.1 25.52,87.95 25.4,87.77 25.3,87.63 25.22,87.51 25.18,87.45 25.08,87.3 25,87.18 24.96,87.12 24.77,86.85 24.69,86.73 24.57,86.55 24.55,86.52 24.35,86.22 24.33,86.18 23.32,85.94 23.1,85.6 22.99,85.42 22.89,85.26 22.78,85.09 22.67,84.9 22.58,84.75 22.46,84.56 22.26,84.22 22.22,84.16 22.1,83.96 21.9,83.63 21.7,83.29 21.51,82.95 21.31,82.6 21.11,82.25 20.92,81.9 20.72,81.55 19.67,81.07 19.03,79.86 18.21,78.18 17.44,76.48 16.7,74.76 16.02,73.03 15.37,71.27 14.78,69.51 14.22,67.72 13.72,65.92 13.26,64.11 12.84,62.29 12.53,60.71 13.07,59.71 13.04,59.53 13,59.31 12.96,59.08 13.51,58.04 13.49,57.88 13.44,57.56 13.43,57.48 13.4,57.26 13.37,57.09 13.35,56.92 13.34,56.87 13.29,56.47 13.28,56.39 13.22,55.96 13.2,55.77 13.17,55.57 13.15,55.35 13.13,55.17 13.1,54.95 13.08,54.78 13.07,54.61 13.05,54.42 13.02,54.21 13.01,54.03 12.99,53.8 12.97,53.63 12.95,53.47 12.95,53.4 12.93,53.22 12.91,53 12.9,52.83 12.89,52.69 12.88,52.62 12.87,52.44 12.86,52.3 12.85,52.22 12.83,51.9 12.82,51.76 12.81,51.5 12.78,51.14 12.78,51.1 12.01,49.96 12,49.77 11.99,49.38 11.98,49.16 11.98,48.98 11.97,48.76 11.97,48.36 11.96,48.29 11.96,48.06 11.96,47.67 11.95,47.28 11.95,46.88 11.96,46.48 11.96,46.09 11.97,45.68 11.98,45.28 11.3,44.35 11.36,42.97 11.49,41.11 11.66,39.25 11.89,37.4 12.16,35.55 12.48,33.71 12.85,31.88 13.26,30.06 13.73,28.25 14.23,26.45 14.79,24.66 14.94,24.21 14.99,24.26 v2(15.07,24.26)
  Bottom w0.2: D543.1 v2(155.55,59.46) ; D527.1 v2(61.2,116.04) ; D535.1 v2(152.14,22.02) ; D503.1 v2(15.07,24.26) ; D551.1 v2(139.77,93.59) ; D511.1 v2(12.89,61.8) ; D559.1 v2(109.04,115.26) ; D519.1 v2(29.78,95.39)
